# Altium PCB AMS_A2_Sample.PcbDoc (part 1 of 2) (continued)
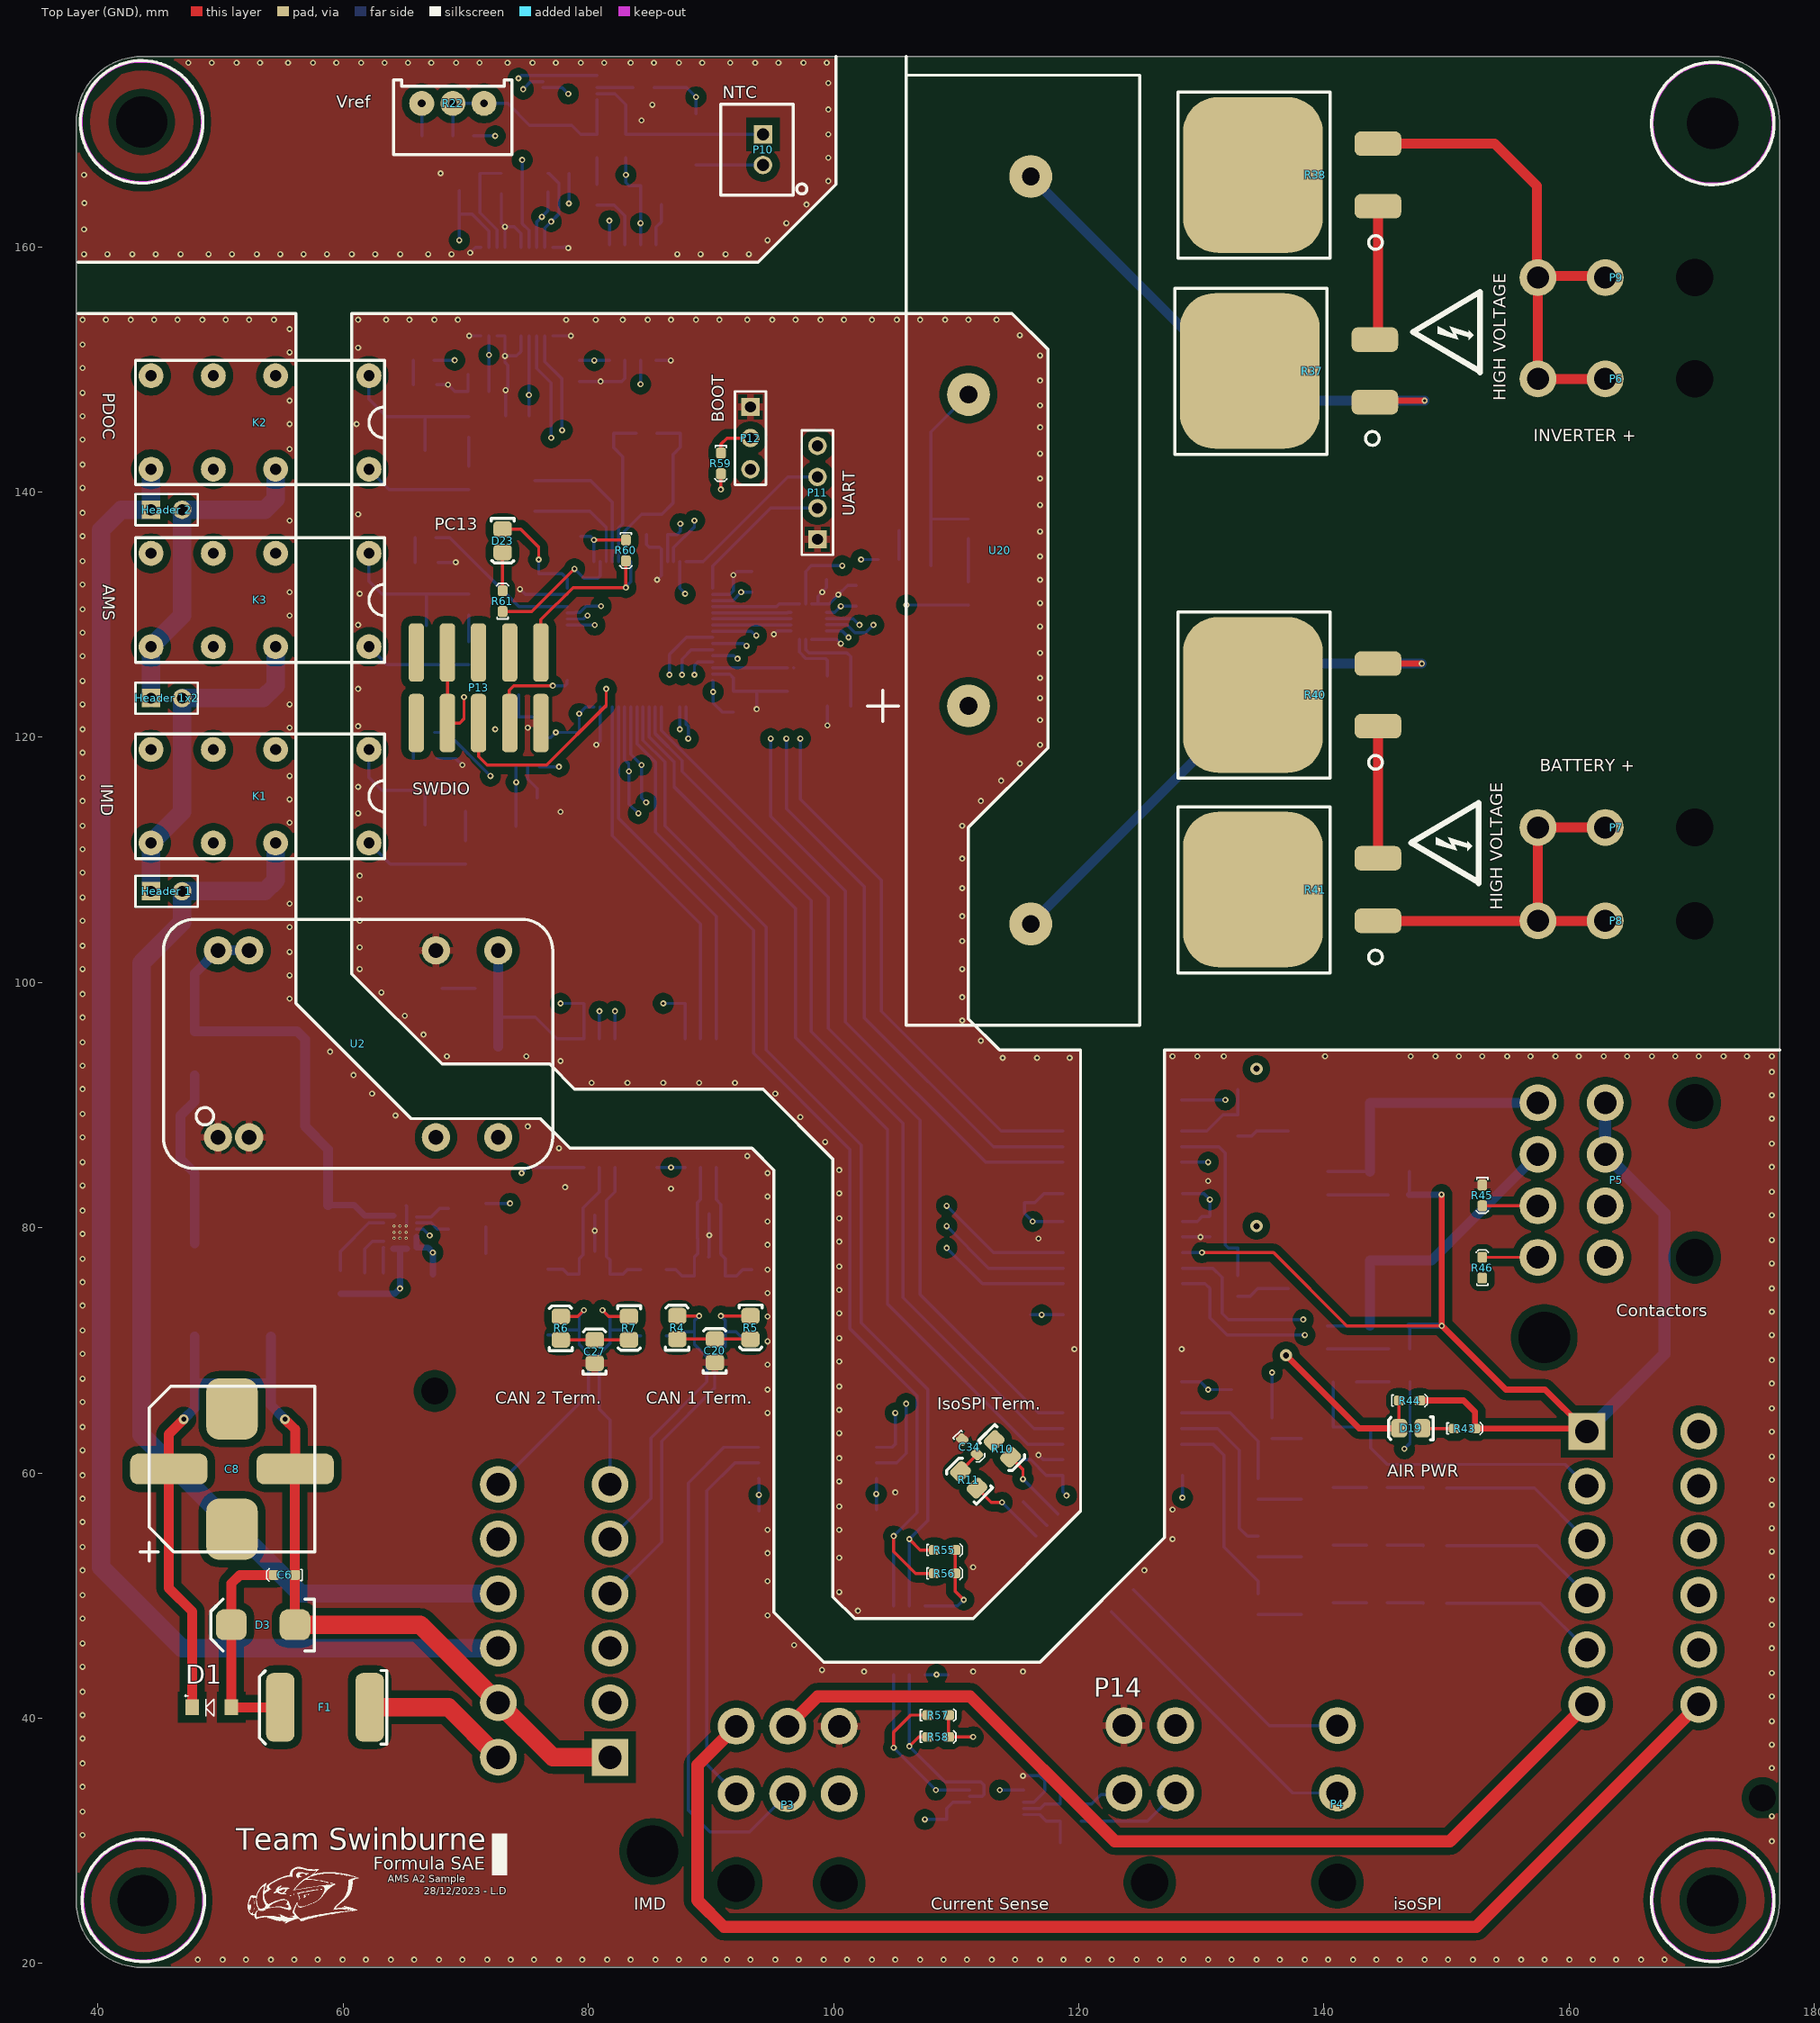
[diagram p0: Top Layer (GND) view]
## Components (designator, comment, footprint, x,y, rotation, side; value= is the part's Value field where it differs from the comment) (continued)
R25 "5.1k" 0603 76.708,164.465 r0 bottom
R26 "20K" 0603 72.898,165.989 r0 bottom
R27 "10k" 0603 69.469,165.989 r0 bottom
R28 "1.2k" 0603 145.246,82.682 r0 bottom
R29 "1.2k" 0603 145.288,70.109 r0 bottom
R30 "1.2k" 0603 145.315,67.437 r0 bottom
R31 "500R" 0603 132.969,89.203 r270 bottom
R32 "500R" 0603 132.969,76.122 r270 bottom
R33 "500R" 0603 135.763,64.516 r270 bottom
R34 "20K" 0603 132.969,91.264 r90 bottom
R35 "20K" 0603 132.969,78.359 r90 bottom
R36 "20K" 0603 135.763,66.929 r0 bottom
R37 "PWR263S-35-1001J" "B TO-263" 133.945,149.87 r90 top value=1k
R38 "PWR263S-35-1001J" "B TO-263" 134.199,165.852 r90 top value=1k
R39 "1k" 0603 110.998,137.795 r270 bottom
R40 "PWR263S-35-1001J" "B TO-263" 134.199,123.454 r90 top value=1k
R41 "PWR263S-35-1001J" "B TO-263" 134.199,107.579 r90 top value=1k
R42 "680R" 0603 103.632,134.493 r0 bottom
R43 "1.2k" 0603 150.622,63.627 r0 top
R44 "1.2k" 0603 146.128,65.913 r0 top
R45 "1.2k" 0603 152.908,83.488 r270 top
R46 "1.2k" 0603 152.908,75.897 r90 top
R47 "680R" 0603 143.461,49.403 r0 bottom
R48 "680R" 0603 134.62,50.165 r270 bottom
R49 "680R" 0603 143.461,54.102 r0 bottom
R50 "680R" 0603 134.62,54.852 r270 bottom
R51 "680R" 0603 143.461,58.801 r0 bottom
R52 "680R" 0603 134.62,59.551 r270 bottom
R53 "1k" 0603 120.191,33.02 r180 bottom
R54 "1k" 0603 120.191,31.623 r180 bottom
R55 "5.1k" 0603 108.204,53.721 r0 top
R56 "5.1k" 0603 108.204,51.816 r0 top
R57 "5.1k" 0603 107.682,40.259 r0 top
R58 "5.1k" 0603 107.682,38.481 r0 top
R59 "10k" 0603 90.805,143.178 r270 top
R60 "10k" 0603 83.058,136.084 r270 top
R61 "1k" 0603 72.999,130.253 r90 top
R62 "200K" 0603 83.898,144.78 r0 bottom value=20K
U2 "JTC0424S05" "24-DIP Module, 7 Leads" 61.214,94.996 r0 top
U3 "744272121" "Wurth 4-PC Pad" 54.099,78.74 r270 bottom value="120uH @ 100kHz"
U4 "MAXM17631AME+T" MAXM17631AME+T 64.635,79.637 r180 bottom
U5 "TLV70033-Q1" "TI SOT-23-5" 76.007,117.602 r180 bottom
U6 "ISO1042" TI-SOIC-8 89.789,90.17 r270 bottom
U7 "B82787C0104H002" "TDK 4-PC Pad" 91.146,71.523 r90 bottom value="100µH @ 100kHz"
U8 "NUP2105L" "ON SOT-23" 89.855,80.121 r180 bottom
U9 "ISO1042" TI-SOIC-8 81.534,90.17 r270 bottom
U10 "B82787C0104H002" "TDK 4-PC Pad" 81.748,71.65 r90 bottom value="100µH @ 100kHz"
U11 "NUP2105L" "ON SOT-23" 80.518,80.01 r180 bottom
U12 "LTC6820" WFQN-16 97.97,129.425 r0 bottom
U13 "HX1188NLT" HX1188NL 118.237,50.419 r135 bottom
U14 "ADuM225N" AD-SOIC-8W 98.679,61.468 r0 bottom
U15 "ADuM210N" SOIC-8W 83.617,155.448 r270 bottom
U16 "TS391ILT" "ON SOT-23-5" 79.721,166.634 r90 bottom
U17 "ADS1115" "TI 10-VSSOP" 78.496,172.974 r180 bottom
U18 "ADM3260" "AD 20-SSOP" 74.168,156.337 r180 bottom
U19 "ADuM1400" "AD 16-SOIC" 123.571,88.519 r90 bottom
U20 "3350-1275-056" "CI SPST" 110.998,135.255 r270 top
U21 "ADuM1400" "AD 16-SOIC" 123.571,74.803 r270 bottom
U22 "ADuM1400" "AD 16-SOIC" 123.571,65.532 r90 bottom
U23 "ADS1115" "TI 10-VSSOP" 113.284,33.147 r180 bottom
U24 "ISO1540DR" "TI 8-SOIC" 104.902,53.238 r90 bottom
U25 "STM32F446RET6" "STM 64-LQFP" 84.201,128.397 r270 bottom
X1 "32.768kHz" "EPSON 2-SMD" 78.359,139.7 r90 bottom
X2 "8MHz" ECS-80-18-30-JGN-TR 84.836,141.097 r0 bottom

## Footprints (in the part's own frame and the unit in brackets; to place one, negate y for a bottom-side part, rotate by r counter-clockwise, add the part's x,y. Pads: shape width x height; smd on the part's side, far side on the other; paste and mask are expansions set on the pad)
"24-DIP Module, 7 Leads" [mm]
  round 2.3 hole 1.2: 2(-11.43,-7.62) 3(-8.89,-7.62) 9(6.35,-7.62) 11(11.43,-7.62) 14(11.43,7.62) 16(6.35,7.62) 22(-8.89,7.62) 23(-11.43,7.62)
  silkscreen extent -15.88,-10.16 15.88,10.16, body extent -15.87,-10.16 15.87,10.16, height 10.41
0603 [mm]
  rrect50% 0.9x0.8 smd: 1(0,0) 2(1.7,0)
  silkscreen extent -0.6,-0.5 2.3,0.5, body extent 0.05,-0.42 1.65,0.43, height 0.6
0805 [mm]
  rrect50% 1.3x1.5 smd: 1(-0.962,-0.026) 2(0.938,-0.026)
  silkscreen extent -1.85,-0.95 1.8,0.93, body extent -1,-0.65 1,0.66, height 0.73
"0805 LED" [mm]
  rrect50% 1.3x1.5 smd: A(-0.962,-0.026) K(0.938,-0.026)
  silkscreen extent -1.85,-0.95 1.8,0.93, body extent -1.09,-0.63 0.91,0.63, height 1
1812 [mm]
  rrect50% 2.2x3.5 smd: 1(-1.8,0) 2(1.8,0)
  silkscreen extent -3.25,-1.75 3.25,1.75, body extent -2.25,-1.6 2.25,1.6, height 2.5
2920 [mm]
  rrect50% 2.3x5.6 smd: 1(0,0) 2(7.3,0)
  silkscreen extent -1.4,-3 9,3, body extent -0.34,-2.81 7.64,2.81, height 1.14
39300020 [mm]
  round 3 hole 1.8: 1(0,0) 2(0,5.5)
  round 1.524 hole 3.05: ""(0,-7.3)
  body extent -2.7,-13.97 3.1,5.97, height 11.4
39300040 [mm]
  round 3 hole 1.85: 1(0,0) 2(0,5.5) 3(-4.2,0) 4(-4.2,5.5)
  round 1.524 hole 3.05: ""(-2.1,-7.3)
  body extent -6.9,-13.87 3.1,6.07, height 11.4
39300060 [mm]
  round 3 hole 1.85: 1(0,0) 2(0,5.5) 3(-4.2,0) 4(-4.2,5.5) 5(-8.4,0) 6(-8.4,5.5)
  round 1.524 hole 3.05: ""(-8.4,-7.3) ""(0,-7.3)
  body extent -11.1,-13.87 3.1,6.07, height 11.4
39300080 [mm]
  round 3 hole 1.85: 1(0,0) 2(0,5.5) 3(-4.2,0) 4(-4.2,5.5) 5(-8.4,0) 6(-8.4,5.5) 7(-12.6,0) 8(-12.6,5.5)
  round 1.524 hole 3.05: ""(-12.6,-7.3) ""(0,-7.3)
  body extent -15.3,-13.9 3.1,6.04, height 11.4
"AD 16-SOIC" [mil]
  rrect50% 28x85 smd: 1(-225,-192.02)
  oval 28x85 smd: 2(-175,-192.02) 3(-125,-192.02) 4(-75,-192.02) 5(-25,-192.02) 6(25,-192.02) 7(75,-192.02) 8(125,-192.02) 9(125,190) 10(75,189.96) 11(25,189.96) 12(-25,189.96) 13(-75,189.96) 14(-125,189.96) 15(-175,191.98) 16(-225,191.98)
  silkscreen extent -257,-138 155,138, body extent -256,-209 156,209, height 104
"AD 20-SSOP" [mm]
  rrect50% 0.4x1.6 smd: 1(-2.925,-3.6) 2(-2.275,-3.6) 3(-1.625,-3.6) 4(-0.975,-3.6) 5(-0.325,-3.6) 6(0.325,-3.6) 7(0.975,-3.6) 8(1.625,-3.6) 9(2.275,-3.6) 10(2.925,-3.6) 11(2.925,3.6) 12(2.275,3.6) 13(1.625,3.6) 14(0.975,3.6) 15(0.325,3.6) 16(-0.325,3.6) 17(-0.975,3.6) 18(-1.625,3.6) 19(-2.275,3.6) 20(-2.925,3.6)
  silkscreen extent -3.5,-2.5 3.5,2.5, body extent -3.64,-3.9 3.56,3.9, height 1.2
AD-SOIC-8W [mm]
  rrect50% 1.7x0.6 smd: 1(-4.8,1.905) 2(-4.8,0.635) 3(-4.8,-0.635) 4(-4.8,-1.905) 5(4.8,-1.905) 6(4.8,-0.635) 7(4.8,0.635) 8(4.8,1.905)
  silkscreen extent -4.92,-3.05 3.55,3.05, body extent -5.16,-3.05 5.16,3.05, height 2.65
"B 3296" [mil]
  round 80 hole 25.2: 1(-103.39,-22) 2(-3.39,-22) 3(96.61,-22)
  silkscreen extent -193,-97 187,143, body extent -191,-97 184,143, height 455
"B TO-263" [mm]
  rrect50% 2x3.8 smd: 1(-2.55,-10.2) 2(2.55,-10.2)
  rrect50% 12.7x11.4 smd: ""(0,0)
  silkscreen extent -6.8,-10.56 6.75,6.1, body extent -5.19,-11.02 5.45,4.83, height 4.8
"CI SPST" [mm]
  round 3.5 hole 1.45: 1(30.48,5.08) 2(12.7,0) 3(-12.7,0) 4(-30.48,5.08)
  silkscreen extent -38.73,-8.25 38.73,13.97, body extent -38.1,-4.45 38.1,13.34, height 20.57
DTF15-12P [mm]
  rect 3x3 hole 1.9: 1(0,18.24)
  round 3 hole 1.9: 2(4.45,18.24) 3(8.9,18.24) 4(13.35,18.24) 5(17.8,18.24) 6(22.25,18.24) 7(22.25,9.12) 8(17.8,9.12) 9(13.35,9.12) 10(8.9,9.12) 11(4.45,9.12) 12(0,9.12)
  round 1.524 hole 4.2 unplated mask+0: 5(-7.671,21.717)
  round 1.524 hole 2.2 unplated mask+0: 5(29.87,3.937)
  body extent -10.87,2.62 33.07,24.88, height 35
ECS-80-18-30-JGN-TR [mm]
  rrect50% 1.9x2.4 smd: 1(-2.05,0) 2(2.05,0)
"EPSON 2-SMD" [mm]
  rrect50% 1x1.8 smd: 1(-1.25,0) 2(1.25,0)
  silkscreen extent -2,-1.2 2,1.2, body extent -1.5,-1 1.5,1, height 1
HX1188NL [mm]
  rect 1.6x0.7 smd: 1(-4.35,4.445) 2(-4.35,3.175) 3(-4.35,1.905) 4(-4.35,0.635) 5(-4.35,-0.635) 6(-4.35,-1.905) 7(-4.35,-3.175) 8(-4.35,-4.445) 9(4.35,-4.445) 10(4.35,-3.175) 11(4.35,-1.905) 12(4.35,-0.635) 13(4.35,0.635) 14(4.35,1.905) 15(4.35,3.175) 16(4.35,4.445)
  silkscreen extent -4.47,-6.35 3.15,6.35, body extent -4.7,-6.35 4.7,6.35, height 5.97
MAXM17631AME+T [mil]
  rrect25% 24x10 smd paste-5 mask+0: 1(-53.15,49.21) 2(-53.15,29.53) 3(-53.15,9.84) 4(-53.15,-9.84) 5(-53.15,-29.53) 6(-53.15,-49.21) 9(53.15,-49.21) 10(53.15,-29.53) 11(53.15,-9.84) 12(53.15,9.84) 13(53.15,29.53) 14(53.15,49.21)
  rrect25% 20x24 smd paste+0 mask+0: 7(-21.65,-53.15) 8(21.65,-53.15) 15(21.65,53.15) 16(-21.65,53.15)
  rect 63x63 smd paste+0 mask+0: 17(0,0)
  silkscreen extent -75,-75 85,75, body extent -62,-62 62,62, height 71
"NXP SOD123W" [mm]
  rect 1.1x1.3 smd: A(1.6,0) K(-1.6,0)
  silkscreen extent -2.2,-0.73 0.2,1.04, body extent -1.75,-0.95 1.75,0.95, height 1.1
"ON SOT-23" [mm] "NUP2105L"
  rrect50% 0.8x0.9 smd: 1(-0.95,-1) 2(0.95,-1) 3(0,1)
  silkscreen extent -1.75,-0.65 1.75,0.75, body extent -1.5,-1.28 1.5,1.27, height 1
"ON SOT-23-5" [mil]
  rrect50% 19x58 smd: 1(24.61,38.39) 2(62.01,38.39) 3(99.41,38.39) 4(99.41,131.39) 5(24.61,131.39)
  silkscreen extent -5,39 128,128, body extent 2,27 122,145, height 57
SOIC-8W [mm]
  rect 1.85x0.6 smd: 1(-4.725,1.905) 2(-4.725,0.635) 3(-4.725,-0.635) 4(-4.725,-1.905) 5(4.725,-1.905) 6(4.725,-0.635) 7(4.725,0.635) 8(4.725,1.905)
  silkscreen extent -4.85,-3.05 3.4,3.05, body extent -5.16,-3.05 5.16,3.05, height 2.65
"ST SMB DIODE" [mm]
  rrect50% 2.5x2.5 smd: A(2.6,0) K(-2.6,0)
  silkscreen extent -4.28,-2.12 4.17,2.08, body extent -2.88,-1.99 2.71,1.95, height 2.5
"STM 64-LQFP" [mm]
  rrect50% 1.56x0.35 smd mask+0.05: 1(-5.93,3.75) 2(-5.93,3.25) 3(-5.93,2.75) 4(-5.93,2.25) 5(-5.93,1.75) 6(-5.93,1.25) 7(-5.93,0.75) 8(-5.93,0.25) 9(-5.93,-0.25) 10(-5.93,-0.75) 11(-5.93,-1.25) 12(-5.93,-1.75) 13(-5.93,-2.25) 14(-5.93,-2.75) 15(-5.93,-3.25) 16(-5.93,-3.75) 33(5.93,-3.75) 34(5.93,-3.25) 35(5.93,-2.75) 36(5.93,-2.25) 37(5.93,-1.75) 38(5.93,-1.25) 39(5.93,-0.75) 40(5.93,-0.25) 41(5.93,0.25) 42(5.93,0.75) 43(5.93,1.25) 44(5.93,1.75) 45(5.93,2.25) 46(5.93,2.75) 47(5.93,3.25) 48(5.93,3.75)
  rrect50% 0.35x1.56 smd mask+0.05: 17(-3.75,-5.93) 18(-3.25,-5.93) 19(-2.75,-5.93) 20(-2.25,-5.93) 21(-1.75,-5.93) 22(-1.25,-5.93) 23(-0.75,-5.93) 24(-0.25,-5.93) 25(0.25,-5.93) 26(0.75,-5.93) 27(1.25,-5.93) 28(1.75,-5.93) 29(2.25,-5.93) 30(2.75,-5.93) 31(3.25,-5.93) 32(3.75,-5.93) 49(3.75,5.93) 50(3.25,5.93) 51(2.75,5.93) 52(2.25,5.93) 53(1.75,5.93) 54(1.25,5.93) 55(0.75,5.93) 56(0.25,5.93) 57(-0.25,5.93) 58(-0.75,5.93) 59(-1.25,5.93) 60(-1.75,5.93) 61(-2.25,5.93) 62(-2.75,5.93) 63(-3.25,5.93) 64(-3.75,5.93)
  silkscreen extent -4.5,-4.5 4.5,4.5, body extent -6,-6 6,6, height 1.63
"STM TO-252 MOSFET" [mm]
  rrect50% 6.7x6.7 smd: D(0.05,0.35)
  oval 1.6x3 smd: G(2.35,7) S(-2.25,7)
  silkscreen extent -3.75,-3.4 3.75,4.5, body extent -3.33,-2.67 3.39,7.75, height 2.39
"TDK 4-PC Pad" [mm]
  rrect50% 1.35x0.9 smd: 1(0,-2.5) 2(0,0) 3(4.55,0) 4(4.55,-2.5)
  silkscreen extent -1,-3.2 5.5,0.7, body extent -0.02,-2.82 4.48,0.38, height 2.8
"TH 2.54mm Header 1x2" [mm]
  rect 1.5x1.5 hole 0.9: 1(0,0)
  round 1.5 hole 0.9: 2(2.54,0)
  silkscreen extent -1.27,-1.27 3.81,1.27, body extent -1.27,-1.27 3.81,1.27, height 9.5
"TH 2.54mm Header 1x3" [mm]
  rect 1.5x1.5 hole 0.9: 1(0,0)
  round 1.5 hole 0.9: 2(2.54,0) 3(5.08,0)
  silkscreen extent -1.27,-1.27 6.35,1.27, body extent -1.27,-1.27 6.35,1.27, height 9.5
"TH 2.54mm Header 1x4" [mm]
  rect 1.5x1.5 hole 0.9: 1(0,0)
  round 1.5 hole 0.9: 2(2.54,0) 3(5.08,0) 4(7.62,0)
  silkscreen extent -1.27,-1.27 8.89,1.27, body extent -1.27,-1.27 8.89,1.27, height 9.5
"TH 2.54mm Header 2x5" [mm]
  rrect50% 1.25x4.75 smd: 1(-5,-2.704) 2(-5,3.046) 3(-2.46,-2.704) 4(-2.46,3.046) 5(0.08,-2.704) 6(0.08,3.046) 7(2.62,-2.704) 8(2.62,3.046) 9(5.16,-2.704) 10(5.16,3.046)
"TI 2-DIL" [mil]
  round 80 hole 35.43: 1(-350,-150) 4(-50,-150) 6(150,-150) 8(350,-150) 9(350,150) 11(150,150) 13(-50,150) 16(-350,150)
  silkscreen extent -400,-200 400,200, body extent -398,-197 398,197, height 450
"TI 8-SOIC" [mm]
  oval 1.4x0.6 smd: 1(-9.677,2.54) 2(-9.677,1.27) 3(-9.677,0) 4(-9.677,-1.27) 5(-4.089,-1.27) 6(-4.089,0) 7(-4.089,1.27) 8(-4.089,2.54)
  silkscreen extent -8.74,-1.78 -5.03,3.18, body extent -9.96,-1.87 -3.76,3.14, height 1.76
"TI 10-VSSOP" [mm]
  rrect50% 1.45x0.3 smd mask+0.05: 1(-2.2,1) 2(-2.2,0.5) 3(-2.2,0) 4(-2.2,-0.5) 5(-2.2,-1) 6(2.2,-1) 7(2.2,-0.5) 8(2.2,0) 9(2.2,0.5) 10(2.2,1)
  silkscreen extent -1.25,-1.5 1.25,1.5, body extent -2.45,-1.5 2.45,1.5, height 1.12
"TI SOT-23-5" [mil]
  rrect50% 19x58 smd: 1(0,0) 2(37.4,0) 3(74.8,0) 4(74.8,93) 5(0,93)
  silkscreen extent -30,8 103,86, body extent -23,-12 97,106, height 57
TI-SOIC-8 [mm]
  rrect50% 1.95x0.6 smd: 1(-5.25,1.905) 2(-5.25,0.635) 3(-5.25,-0.635) 4(-5.25,-1.905) 5(5.25,-1.905) 6(5.25,-0.635) 7(5.25,0.635) 8(5.25,1.905)
  silkscreen extent -5.37,-3 3.88,3, body extent -5.75,-3 5.75,3, height 2.8
"Vishay Radial 1213" [mm]
  rrect50% 4.2x5 smd: 0(0,4.9) 0(0,-4.9)
  rrect50% 6.3x2.5 smd: 1(-5.15,0) 2(5.15,0)
  silkscreen extent -6.75,-6.75 7.5,7.5, body extent -7.45,-6.45 7.45,6.45, height 14.31
"VSHY SOT-23-3" [mm] "SOT23, 3-Leads, Body 2.92x2.37mm, Pitch 0.95mm, IPC Low Density"
  rect 1.2x0.65 smd: D(1.3,0) G(-1.3,0.95) S(-1.3,-0.95)
  silkscreen extent -1.42,-1.5 0.7,1.95, body extent -1.32,-1.52 1.32,1.52, height 1.12
WFQN-16 [mm]
  rect 0.8x0.25 smd: 1(-1.45,0.75) 2(-1.45,0.25) 3(-1.45,-0.25) 4(-1.45,-0.75) 9(1.45,-0.75) 10(1.45,-0.25) 11(1.45,0.25) 12(1.45,0.75)
  rect 0.25x0.8 smd: 5(-0.75,-1.45) 6(-0.25,-1.45) 7(0.25,-1.45) 8(0.75,-1.45) 13(0.75,1.45) 14(0.25,1.45) 15(-0.25,1.45) 16(-0.75,1.45)
  rect 1.68x1.68 smd: 17(0,0)
  silkscreen extent -2.47,-1.7 1.7,1.7, body extent -1.6,-1.6 1.6,1.6, height 0.8
"Wurth 4-PC Pad" [mm]
  rrect50% 2.7x2.7 smd: 1(7.62,6.22) 2(0,6.22) 3(0,0) 4(7.62,0)
  silkscreen extent -1.7,-1.8 9.4,8, body extent -1.19,-1.24 8.81,7.46, height 6.2
"XH 2 PIN VERT" [mm]
  round 1.508 hole 1: 1(1.25,0.127)
  rect 1.508x1.508 hole 1: 2(-1.25,0.127)
  silkscreen extent -3.7,-3.3 3.7,3.71, body extent -3.61,-3.24 3.61,2.6, height 7.21

## Part data
C1 C10 C20 C27: library part GRM21BR61A226ME51L, Digikey Part Number=490-10511-1-ND, Manufacturer=muRata, Rated Voltage=10V, Temperature Rating=X5R, Tolerance=20%, Material=MLCC, Part Number=GRM21BR61A226ME51L
C2 C12 C14: library part GCM21BR71H105KA03L, Digikey Part Number=490-10675-1-ND, Manufacturer=muRata, Rated Voltage=50V, Temperature Rating=X7R, Tolerance=±10%, Material=MLCC, Part Number=GCM21BR71H105KA03L
C3 C4 C45 C49: library part GRM21BR6YA106KE43L, Digikey Part Number=490-10514-6-ND, Manufacturer=muRata, Rated Voltage=50V, Temperature Rating=X5R, Tolerance=10%, Material=MLCC, Part Number=GRM21BR6YA106KE43L
C5 C6 C7 C11 C13 C15 C18 C19 C25 C26 C32 C33 C34 C36 C37 C38 C39 C40 C41 C42 C43 C44 C47 C48 C50 C52 C53 C54 C55 C56 C57 C58 C59 C60 C61 C62 C69 C70 C71 C72 C73 C74: library part GCM188L81H104KA57D, Digikey Part Number=490-6049-1-ND, Manufacturer=muRata, Rated Voltage=50V, Temperature Rating=X8L, Tolerance=±10%, Material=MLCC, Part Number=GCM188L81H104KA57D
C8: library part MAL214699106E3, Digikey Part Number=4440PHCT-ND, Manufacturer=Vishay, Rated Voltage=50V, Temperature Rating=125C, Tolerance=20%, Material="Aluminium Electrolytic", Part Number=MAL214699106E3
C9 C16 C63 C64: library part GRM21BR71E225KE11L, Digikey Part Number=490-14467-2-ND, Manufacturer="Murata Electronics", Rated Voltage=25V, Temperature Rating=X7R, Tolerance=±10%, Material=MLCC, Part Number=GRM21BR71E225KE11L
C17: library part GRM1885C1H682JA01D, Digikey Part Number=490-11477-1-ND, Manufacturer="Murata Electronics", Rated Voltage=50V, Temperature Rating="C0G, NP0", Tolerance=±5%, Material=MLCC, Part Number=GRM1885C1H682JA01D
C21 C22 C23 C24 C28 C29 C30 C31: library part GRM1885C1H101JA01D, Digikey Part Number=490-1427-1-ND, Manufacturer="Murata Electronics", Rated Voltage=50V, Temperature Rating="C0G, NP0", Tolerance=±5%, Material=MLCC, Part Number=GRM1885C1H101JA01D
C35 C46 C51: library part GCM188L81H103KA03D, Digikey Part Number=490-GCM188L81H103KA03DCT-ND, Manufacturer=muRata, Rated Voltage=50V, Temperature Rating=X8L, Tolerance=±10%, Material=MLCC, Part Number=GCM188L81H103KA03D
C65 C66 C67 C68: library part GRM0335C1H220JA01D, Digikey Part Number=490-6123-1-ND, Manufacturer="Murata Electronics", Rated Voltage=50V, Temperature Rating="C0G, NP0", Tolerance=±5%, Material=MLCC, Part Number=GRM0335C1H220JA01D
D1 D6 D8 D10 D11 D12 D13 D18: Breakdown Voltage="100 V", Digikey Part Number=1727-PMEG100T10ELR-QXCT-ND, Forward Voltage="0.75 V @ 1A", Manufacturer="Nexperia USA Inc.", Rated Power="680 mW", Part Number=PMEG100T10ELR-QX
D2 D4: library part SML-211DTT86, "Orange LED Indication - Discrete 1.75V 0805 (2012 Metric)", Digikey Part Number=511-1291-1-ND, Manufacturer="ROHM Semiconductor", Colour=Orange, Part Number=SML-211DTT86
D3: Breakdown Voltage="30.8 V", Digikey Part Number=497-10804-1-ND, Manufacturer=STMicroelectronics, Rated Power=600W, Forward Voltage="30.8 V", Part Number=SM6T36CAY
D5 D7 D9 D17: library part SML-210FTT86, "Green LED Indication - Discrete 1.75V 0805 (2012 Metric)", Digikey Part Number=511-1285-1-ND, Manufacturer="ROHM Semiconductor", Colour=Green, Digikey Link=https://www.digikey.com/product-detail/en/rohm-semiconductor/SML-210FTT86/511-1285-1-ND/637098, Part Number=SML-210FTT86
D14 D15 D16 D19 D23: library part SML-210LTT86, "Red LED Indication - Discrete 1.75V 0805 (2012 Metric)", Digikey Part Number=511-1286-1-ND, Manufacturer="ROHM Semiconductor", Colour=Red, Part Number=SML-210LTT86
  D23: Digikey Link=https://www.digikey.com/product-detail/en/rohm-semiconductor/SML-210LTT86/511-1286-1-ND/637099
D20 D21 D22: library part SML-211YTT86, "Yellow LED Indication - Discrete 1.75V 0805 (2012 Metric)", Digikey Part Number=511-1293-1-ND, Manufacturer="ROHM Semiconductor", Colour=Yellow, Part Number=SML-211YTT86
F1: "PTC RESET FUSE 60V 1A 292", Digikey Part Number=507-2070-1-ND, Manufacturer="Littelfuse Inc.", Digikey Link=https://www.digikey.com/product-detail/en/bel-fuse-inc/0ZCF0100AF2A/507-2070-1-ND/6210547, Part Number=0ZCF0100AF2A
"Header 1" "Header 1x2" "Header 2": library part "TH 2.54mm Header 1x2", Angle=0, Contact=NA, Flange=No, Part Number="TH 2.54mm Header 1x2", Pitch=2.54mm, Positions=2, Row Spacing=2.54mm
K1 K2 K3: "5V DPDT Relay 3A 220VDC", Digikey Part Number=PB383-ND, Manufacturer=Axicom, Digikey Link=https://www.digikey.com/products/en?mpart=V23105A5001A201&v=41, Part Number=V23105A5475A201
L1: library part RLS-126, Digikey Part Number=945-3429-ND, Manufacturer=Recom, Rated Current="0.8 A", Tolerance=0.2, Impedance=230mOhm, Material=Wirewound, Part Number=RLS-126
P1 P2: Digikey Part Number=1734-1647-ND, Angle=0, Contact="Copper Alloy", Digikey Link=https://www.digikey.com.au/product-detail/en/te-connectivity-deutsch-connectors/DTF15-12PA/1734-1647-ND/7220164, Flange=No, Part Number=DTF15-12P, Pitch=4.44mm, Positions=12, Row Spacing="9.12 mm"
P3: Digikey Part Number=WM21353-ND, Angle=90, Contact=Tin, Flange=No, Part Number=39300060, Pitch=4.2mm, Positions=6, Row Spacing=5.5mm
P4 P6 P7 P8 P9: Digikey Part Number=WM21351-ND, Angle=90, Contact=Tin, Flange=No, Part Number=39300020, Pitch=4.2mm, Positions=2, Row Spacing=5.5mm
P5: Digikey Part Number=WM21354-ND, Angle=90, Contact=Tin, Flange=No, Part Number=39300080, Pitch=4.2mm, Positions=8, Row Spacing=5.5mm
P10: Digikey Part Number=455-2247-ND, Angle=0, Contact=Tin, Digikey Link=https://www.digikey.com.au/en/products/detail/jst-sales-america-inc/B2B-XH-A-LF-SN/1651045, Flange=No, Part Number=B2B-XH-A(LF)(SN), Pitch=2.54mm, Positions=2, Row Spacing=2.54mm
P11: library part "TH 2.54mm Header 1x4", Angle=0, Contact=NA, Flange=No, Part Number="TH 2.54mm Header 1x4", Pitch=2.54mm, Positions=4, Row Spacing=2.54mm
P12: library part "TH 2.54mm Header 1x3", Angle=0, Contact=NA, Flange=No, Part Number="TH 2.54mm Header 1x3", Pitch=2.54mm, Positions=3, Row Spacing=2.54mm
P13: library part "SMD 2.54mm Header 2x5", Angle=0, Contact=NA, Flange=No, Part Number="SMD 2.54mm Header 2x5", Pitch=2.54mm, Positions=10, Row Spacing=2.54mm
P14: Digikey Part Number=WM21352-ND, Angle=90, Contact=Tin, Flange=No, Part Number=39300040, Pitch=4.2mm, Positions=4, Row Spacing=5.5mm
Q1 Q2 Q3 Q6 Q7 Q8 Q9 Q10: "MOSFET N-CH 60V 2.3A SOT23", Digikey Part Number=SQ2308CES-T1_GE3CT-ND, Manufacturer="Vishay Siliconix", Rated Power=2W, LatestRevisionDate=29-May-2009, LatestRevisionNote="IPC-7351 Footprint Added.", PackageDescription="4-Pin SOT-343 Package 1.3 mm Pitch, 2.1 mm Lead Span", PackageReference=SOT-343, PackageVersion=Sep-2000, Part Number=SQ2308CES-T1_GE3, Published=24-Mar-1999, Publisher="Altium Limited", Type=N-channel
Q4 Q5: "N-Channel 100V 60A (Tc) 125W (Tc) Surface Mount DPAK", Digikey Part Number=497-8806-2-ND, Manufacturer=STMicroelectronics, Rated Power=125W, LatestRevisionDate=29-May-2009, LatestRevisionNote="IPC-7351 Footprint Added.", PackageDescription="4-Pin SOT-343 Package 1.3 mm Pitch, 2.1 mm Lead Span", PackageReference=SOT-343, PackageVersion=Sep-2000, Part Number=STD70N10F4, Published=24-Mar-1999, Publisher="Altium Limited", Type=N-channel
R1 R3 R28 R29 R30 R43 R44 R45 R46: library part RC0603JR-071K2L, Digikey Part Number=311-1.2KGRCT-ND, Manufacturer=YAGEO, Rated Power=0.1W, Tolerance=0.01, Material=FR-07, Part Number=RC0603JR-071K2L
R2: library part ESR03EZPF1502, Digikey Part Number=RHM15.0KADCT-ND, Manufacturer="Rohm Semiconductor", Rated Power=0.25W, Tolerance=0.01, Material=FR-07, Part Number=ESR03EZPF1502
R4 R5 R6 R7: library part RC0805FR0756RL, Digikey Part Number=311-56.0CRCT-ND, Manufacturer=YAGEO, Rated Power=0.125W, Tolerance=0.01, Material=FR-07, Part Number=RC0805FR0756RL
R8 R9: library part RC0805FR07680RL, Digikey Part Number=311-680CRCT-ND, Manufacturer=YAGEO, Rated Power=0.125W, Tolerance=0.01, Material=FR-07, Part Number=RC0805FR07680RL
R10 R11: library part RC0805FR0751RL, Digikey Part Number=311-51.0CRCT-ND, Manufacturer=YAGEO, Rated Power=0.125W, Tolerance=0.01, Material=FR-07, Part Number=RC0805FR0751RL
R12 R14 R16 R19 R39 R53 R54 R61: library part RC0603FR-071KL, Digikey Part Number=311-1.00KHRCT-ND, Manufacturer=YAGEO, Rated Power=0.1W, Tolerance=0.01, Material=FR-07, Part Number=RC0603FR-071KL
R13 R15 R17 R42 R47 R48 R49 R50 R51 R52: library part RC0603JR-13680RL, Digikey Part Number=13-RC0603JR-13680RLCT-ND, Manufacturer=YAGEO, Rated Power=0.1W, Tolerance=0.01, Material=FR-07, Part Number=RC0603JR-13680RL
R18: library part RC0603FR-072KL, Digikey Part Number=311-2.00KHRCT-ND, Manufacturer=YAGEO, Rated Power=0.1W, Tolerance=0.01, Material=FR-07, Part Number=RC0603FR-072KL
R20 R21 R23 R27 R59 R60: library part RC0603FR-0710KL, Digikey Part Number=311-10.0KHRCT-ND, Manufacturer=YAGEO, Rated Power=0.1W, Tolerance=0.01, Material=FR-07, Part Number=RC0603FR-0710KL
R22: library part 3296W-1-103LF, Digikey Part Number=3296W-103LF-ND, Manufacturer="Bournes Inc", Rated Power=0.5W, Tolerance=0.1, Part Number=3296W-1-103LF
R24 R25 R55 R56 R57 R58: library part RC0603JR-075K1L, Digikey Part Number=311-5.1KGRCT-ND, Manufacturer=YAGEO, Rated Power=0.1W, Tolerance=0.01, Material=FR-07, Part Number=RC0603JR-075K1L
R26 R34 R35 R36 R62: library part RC0603FR-0720KL, Digikey Part Number=311-20.0KHRCT-ND, Manufacturer=YAGEO, Rated Power=0.1W, Tolerance=0.01, Material=FR-07, Part Number=RC0603FR-0720KL
R31 R32 R33: library part RT0603BRD07500RL, Digikey Part Number=13-RT0603BRD07500RL-ND, Manufacturer=YAGEO, Rated Power=0.1W, Tolerance=0.01, Material=FR-07, Part Number=RT0603BRD07500RL
R37 R38 R40 R41: library part CMP-037-000402-1, Digikey Part Number=PWR263S-35-1001J-ND, Manufacturer="Bournes Inc", Rated Voltage=35W, Tolerance=0.05, Part Number=PWR263S-35-1001J
U2: "DC DC CONVERTER 5V 4W", Digikey Part Number=JTC0424S05-ND, Input Voltage=9V-36V, Manufacturer="XP Power", Output Power=4W, Output Voltage=5V, Digikey Link=https://www.digikey.com/products/en?keywords=%20JTC0424S05, Efficiency=0.79, Isolation=Isolated, Part Number=JTC0424S05
U3: Digikey Part Number=732-1489-1-ND, Manufacturer="Wurth Electronics Inc", Rated Current="2.5 A", Impedance="460 Ohms @ 30MHz", Material=Wirewound, Part Number=744272121
U4: "DC DC CONVERTER 5V", Digikey Part Number=175-MAXM17631AME+TTR-ND, Input Voltage="4.5 to 36 V", Manufacturer="Analog Devices", Mfr_Name="Analog Devices Inc", Output Current="1.0 A", Output Voltage=5V, Digi-Key_Part_Number_1=175-MAXM17631AME+TTR-ND, Part Number=MAXM17631AME+T, RefDes=RefDes, Type=Type
U5: "IC REG LINEAR 3.3V 200MA SOT23-5", Digikey Part Number=296-27780-1-ND, Input Voltage="2 to 5.5 V", Manufacturer="Texas Instruments", Output Current="0.2 A", Output Voltage="3.3 V", Part Number=TLV70033-Q1
U6 U9: "IC CAN TRANSCEIVER 1/1 8SOIC", Digikey Part Number=296-ISO1042BQDWVQ1-ND, Manufacturer="Texas Instruments", Part Number=ISO1042
U7 U10: Digikey Part Number=495-4598-1-ND, Manufacturer="EPCOS (TDK)", Rated Current=150mA, Impedance="5.8 kOhms @ 10MHz", Material=Wirewound, Part Number=B82787C0104H002
U8 U11: "Dual Line CAN Bus Protector", Digikey Part Number=NUP2105LT1GOSCT-ND, Manufacturer="ON Semiconductor", Digikey Link=https://www.digikey.com/product-detail/en/on-semiconductor/NUP2105LT1G/NUP2105LT1GOSCT-ND/1485001, Part Number=NUP2105L
U12: "isoSPI Transceiver", Manufacturer="Analogue Devices", Part Number=LTC6820
U13: library part HX1188NL, "MODULE XFRMR SGL ETHR LAN 16SOIC", Manufacturer="Analogue Devices", Part Number=HX1188NL
U14: "DIGITAL ISOLATOR, DUAL CHANNEL", Manufacturer="Analogue Devices", Part Number=ADuM225N
U15: library part CMP-110-000007-1, "DIGITAL ISOLATOR, SINGLE CHANNEL", Digikey Link=#https://www.analog.com/media/en/technical-documentation/data-sheets/ADuM210N.pdf#, Part Number=ADuM210N
U16: library part CMP-022-000013-1, "IC COMP LO PWR SGL V SOT 23-5L", Part Number=TS391ILT
U17 U23: "16 Bit Analog to Digital Converter 2, 4 Input 1 Sigma-Delta 10-VSSOP", Digikey Part Number=296-38849-1-ND, Manufacturer="Texas Instruments", Part Number=ADS1115
U18: library part CMP-021-000012-1, "I²C Digital Isolator 2500Vrms 2 Channel 25kV/µs CMTI 20-SSOP (0.209\", 5.30mm Width)", Part Number=ADM3260
U19 U21 U22: "General Purpose Digital Isolator 2500Vrms 4 Channel 1Mbps 25kV/µs CMTI 16-SOIC (0.295\", 7.50mm Width)", Digikey Part Number=ADUM1400WSRWZ-ND, Manufacturer="Analog Devices", Digikey Link=https://www.digikey.com/product-detail/en/analog-devices-inc/ADUM1400WSRWZ/ADUM1400WSRWZ-ND/1873713, Part Number=ADuM1400
U20: "RELAY REED HV SPST 200W 3A 5V (NO)", Digikey Part Number=1835-1036-ND, Manufacturer="Comus International", Digikey Link=https://www.digikey.com.au/product-detail/en/comus-international/3350-1275-056/1835-1036-ND/7515918, Part Number=3350-1275-056
U24: "I2C Digital Isolator (Multichannel)", Digikey Part Number=296-34871-1-ND, Manufacturer="Texas Instruments", Digikey Link=https://www.digikey.com/product-detail/en/texas-instruments/ISO1540DR/296-34871-1-ND/3587214, Part Number=ISO1540DR
U25: "ARM® Cortex®-M4 STM32F4 Microcontroller IC 32-Bit 180MHz 512KB (512K x 8) FLASH 64-LQFP (10x10)", Digikey Part Number=497-15376-ND, Manufacturer=STMicroelectronics, Digikey Link=https://www.digikey.com.au/product-detail/en/stmicroelectronics/STM32F446RET6/497-15376-ND/5175962, Part Number=STM32F446RET6
X1: library part "FC-135 32.7680KA-A5", Digikey Part Number=SER4103TR-ND, Load Capacitance=12.5pF, Manufacturer=EPSON, Digikey Link=https://www.digikey.com/product-detail/en/epson/FC-135-32.7680KA-A5/SER4103TR-ND/5259895, ESR=70k, Part Number="FC-135 32.7680KA-A5"
X2: library part ECS-80-18-30-JGN-TR, Digikey Part Number=XC2103CT-ND, Load Capacitance=18pF, Manufacturer="ECS Inc", Digikey Link=https://www.digikey.com/en/products/detail/ecs-inc/ECS-80-18-30-JGN-TR/5875530, ESR=100R, Part Number=ECS-80-18-30-JGN-TR

## Free pads (board coordinates)
  round 0 hole 4.2 unplated: 0(43.561,170.18) 0(43.688,25.146) 0(171.704,25.146) 0(171.704,170.053)

## Via types
v1: diameter 0.5, hole 0.25, Top Layer (GND) to Bottom Layer (Signal), 552 vias
v2: diameter 0.254, hole 0.127, Top Layer (GND) to Bottom Layer (Signal), tented top, 9 vias
v3: diameter 1, hole 0.5, Top Layer (GND) to Bottom Layer (Signal), 3 vias
v4: diameter 0.8, hole 0.4, Top Layer (GND) to Bottom Layer (Signal), 2 vias

## Nets (pads, with @x,y where several pads share a name; then routed paths per layer and width w, separated by ;. In a path a pad name is that pad's centre, name@x,y a point inside that pad or via, vN(x,y) a via of type N, cw(c..) or ccw(c..) an arc to the next point about the centre after c; other vN are vias at no path point)
0V: C3.1 C4.1 C5.1 C9.1 C10.1 C18.1 C20.1 C21.1 C22.1 C23.1 C24.1 C25.1 C27.1 C28.1 C29.1 C30.1 C31.1 C36.1 C52.1 C53.1 C55.1 C56.1 C70.1 C72.1 C74.1 P3.2 P14.4 Q6.S Q8.S Q9.S Q10.S R3.1 R36.2 R45.1 U2.2 U2.3 U3.3 U4.16 U4.17 U6.5 U8.3 U9.5 U11.3 U14.4 U19.9 U19.15 U21.2 U21.8 U22.9 U22.15 U23.3 U24.4 | length 15.3
  Bottom Layer (Signal) w0.254: v2(65.135,80.137) 65.185,80.187 U4.16@65.185,80.987 65.185,81.754 65.151,81.788 ; 80.518,78.105 U11.3@80.518,81.01 ; 89.789,77.597 89.855,77.663 U8.3@89.855,81.121 ; v1(115.443,35.306) 116.84,35.306 117.221,34.925 117.221,34.036 116.355,33.17 115.507,33.17 U23.3@115.484,33.147 ; U21.2@128.448,79.248 C72.1@130.683,79.248
  other v1: 48.133,20.32 50.165,20.32 52.07,20.32 54.102,20.32 56.007,20.32 57.912,20.32 59.944,20.32 61.849,20.32 63.881,20.32 65.786,20.32 67.818,20.32 69.723,20.32 71.755,20.32 73.66,20.32 75.565,20.32 77.597,20.32 79.502,20.32 81.534,20.32 83.439,20.32 85.471,20.32 87.376,20.32 89.408,20.32 91.313,20.32 93.218,20.32 95.25,20.32 97.155,20.32 99.187,20.32 101.092,20.32 103.124,20.32 105.029,20.32 107.061,20.32 108.966,20.32 110.871,20.32 112.903,20.32 114.808,20.32 116.84,20.32 118.745,20.32 120.777,20.32 122.682,20.32 124.714,20.32 126.619,20.32 128.524,20.32 130.556,20.32 132.461,20.32 134.493,20.32 136.398,20.32 138.43,20.32 140.335,20.32 142.367,20.32 144.272,20.32 146.177,20.32 148.209,20.32 150.114,20.32 152.146,20.32 154.051,20.32 156.083,20.32 157.988,20.32 160.02,20.32 161.925,20.32 163.83,20.32 165.862,20.32 167.767,20.32 176.53,29.972 38.735,30.48 176.53,32.004 38.735,32.385 38.735,34.417 176.53,35.941 38.735,36.322 176.53,37.846 38.735,38.354 176.53,39.751 38.735,40.259 176.53,41.783 38.735,42.164 176.53,43.688 102.489,43.815 111.379,43.815 115.443,43.815 99.06,43.942 38.735,44.196 176.53,45.72 96.774,45.974 38.735,46.101 176.53,47.625 38.735,48.133 94.615,48.387 176.53,49.657 38.735,50.038 94.615,51.181 176.53,51.562 38.735,52.07 125.349,52.07 94.615,53.467 176.53,53.594 38.735,53.975 127.635,54.61 94.615,55.372 176.53,55.499 38.735,56.007 127.635,57.023 176.53,57.404 38.735,57.912 176.53,59.436 38.735,59.817 176.53,61.341 38.735,61.849 176.53,63.373 38.735,63.754 94.615,64.897 176.53,65.278 38.735,65.786 94.615,66.802 176.53,67.31 38.735,67.691 94.615,68.834 176.53,69.215 38.735,69.723 128.397,70.104 94.615,70.739 176.53,71.247 38.735,71.628 94.615,72.771 176.53,73.152 38.735,73.66 94.615,74.676 176.53,75.057 38.735,75.565 94.615,76.581 176.53,77.089 38.735,77.47 94.615,78.613 176.53,78.994 129.921,79.248 89.855,79.392 38.735,79.502 80.518,79.756 94.615,80.518 176.53,81.026 38.735,81.407 94.615,82.55 176.53,82.931 86.741,83.185 78.105,83.312 38.735,83.439 130.556,83.82 94.615,84.455 176.53,84.963 38.735,85.344 92.964,85.852 77.597,86.487 176.53,86.868 38.735,87.376 75.057,88.265 176.53,88.9 64.262,89.154 38.735,89.281 176.53,90.805 62.357,90.932 38.735,91.313 60.833,92.456 176.53,92.71 38.735,93.218 127.635,93.98 129.667,93.98 131.826,93.98 140.081,93.98 147.066,93.98 149.098,93.98 151.003,93.98 152.908,93.98 154.94,93.98 156.845,93.98 158.877,93.98 160.782,93.98 162.814,93.98 164.719,93.98 166.751,93.98 168.656,93.98 170.561,93.98 172.593,93.98 174.498,93.98 176.53,93.98 58.928,94.361 38.735,95.123 38.735,97.155 55.626,98.679 38.735,99.06 55.626,100.584 38.735,101.092 55.626,102.489 38.735,102.997 55.626,104.521 38.735,105.029 55.626,106.426 38.735,106.934 38.735,108.966 38.735,110.871 38.735,112.776 55.626,113.03 38.735,114.808 55.626,114.935 38.735,116.713 55.626,116.84 38.735,118.745 38.735,120.65 55.626,120.777 38.735,122.682 55.626,122.682 38.735,124.587 38.735,126.619 38.735,128.524 55.626,129.921 38.735,130.429 55.626,131.826 38.735,132.461 38.735,134.366 38.735,136.398 55.626,137.668 38.735,138.303 38.735,140.335 38.735,142.24 55.626,143.51 38.735,144.272 55.626,145.542 38.735,146.177 55.626,147.447 55.626,147.447 38.735,148.082 38.735,150.114 55.626,151.384 38.735,152.019 55.626,153.289 38.735,154.051 40.64,154.051 42.672,154.051 44.577,154.051 46.482,154.051 48.514,154.051 50.419,154.051 50.419,154.051 52.324,154.051 54.356,154.051
  other v2: 64.135,79.137 64.635,79.137 65.135,79.137 64.135,79.637 64.635,79.637 65.135,79.637 64.135,80.137 64.635,80.137
"0V (ISO)": C1.1 C2.1 C12.1 C13.1 C14.1 C15.1 C19.1 C26.1 C32.1 C33.1 C34.1 C35.1 C37.1 C38.1 C48.1 C49.1 C50.1 C51.1 C54.1 C57.1 C58.1 C59.1 C60.1 C61.1 C62.1 C63.1 C64.1 C65.1 C66.1 C67.1 C68.1 C69.1 C71.1 C73.1 P11.1 P12.1 P13.2 Q1.S Q2.S Q3.S Q7.S R1.1 R9.2 U2.16 U5.2 U6.4 U9.4 U12.1 U12.7 U12.8 U12.13 U12.14 U14.5 U15.5 U15.7 U18.1 U18.5 U18.7 U18.8 U18.10 U19.2 U19.8 U21.9 U21.15 U22.2 U22.8 U24.5 U25.12 U25.18 U25.31 U25.47 U25.63 | length 69.7
  Bottom Layer (Signal) w0.254: Q1.S@67.625,118.267 69.185,118.267 v1(69.723,117.729) ; Q2.S@67.625,148.747 v1(68.55,148.747) 69.088,148.209 C50.1@70.182,148.209 C51.1@70.182,149.606 ; Q3.S@67.752,134.269 v1(69.185,134.269) ; v1(70.275,152.737) U18.10@71.243,152.737 ; U18.8@72.543,152.737 U18.7@73.193,152.737 v1(73.193,151.089) ; C49.1@73.243,146.203 v1(73.243,148.3) 73.443,148.5 C48.1@73.443,149.606 73.443,150.331 73.193,150.581 v1(73.193,151.089) ; v1(74.422,132.08) 74.852,131.65 C58.1@75.946,131.65 75.948,131.648 U25.63@78.271,131.647 U25.63@78.271,131.647 ; U18.5@74.493,152.737 74.493,151.455 74.127,151.089 v1(73.193,151.089) ; U5.2@75.057,117.602 75.057,116.586 75.807,115.836 C13.1@75.807,115.062 ; U18.1@77.093,152.737 v1(78.569,152.737) ; C38.1@79.248,149.023 82.729,149.023 82.982,149.276 U15.7@82.982,150.723 ; v1(80.645,119.38) 80.948,119.683 C57.1@80.948,120.396 80.95,120.398 U25.47@80.951,122.467 U25.47@80.951,122.467 ; C62.1@84.751,136.525 84.751,135.721 84.963,135.509 85.802,135.509 85.951,135.36 85.951,133.195 v1(85.598,132.842) ; U15.5@85.522,150.723 v1(86.715,150.723) ; U25.31@90.131,125.147 91.515,125.147 91.821,124.841 C59.1@91.821,123.747 91.824,123.75 C64.1@93.721,123.75 ; U25.18@90.131,131.647 91.515,131.647 91.821,131.953 v1(91.821,133.223) 92.124,133.526 C60.1@93.345,133.526 ; v1(93.721,122.299) C64.1@93.721,123.75 ; C64.1@93.721,123.752 C64.1@93.721,123.75 ; v1(95.123,128.397) 95.401,128.675 U12.1@96.52,128.675 ; C63.1@96.24,123.752 96.237,123.75 C64.1@93.721,123.75 ; U12.14@98.22,127.975 U12.13@98.72,127.975 100.244,127.975 v1(100.584,127.635) ; U12.7@98.22,130.875 U12.8@98.72,130.875 ; C32.1@99.42,132.842 99.42,132.186 98.722,131.488 98.722,130.877 U12.8@98.72,130.875 ; v1(99.495,120.958) R9.2@99.495,122.555 ; C33.1@101.854,132.383 101.141,132.383 v1(100.387,131.629) 99.633,130.875 U12.8@98.72,130.875 ; v1(116.713,61.468) 117.094,61.087 U22.2@118.694,61.087
  other v1: 101.981,48.768 100.457,50.292 111.379,52.324 100.457,53.086 100.457,55.372 100.457,57.277 105.029,58.42 100.457,59.309 100.457,61.214 100.457,63.246 100.457,65.151 100.457,67.056 100.457,69.088 100.457,69.088 119.634,70.104 100.457,70.993 100.457,73.025 100.457,74.93 100.457,76.835 100.457,78.867 116.713,79.121 100.457,80.772 100.457,82.804 100.457,84.709 99.314,86.995 97.282,89.027 95.25,90.932 80.264,91.821 83.185,91.821 86.106,91.821 89.027,91.821 91.948,91.821 77.724,93.599 113.792,93.853 116.586,93.853 119.253,93.853 68.453,93.98 74.93,93.98 112.014,95.25 66.548,95.758 110.49,96.901 65.024,97.282 110.49,98.806 63.119,99.187 61.341,101.092 110.49,101.092 61.341,102.87 110.49,103.378 61.341,105.029 110.49,105.41 61.341,106.807 110.49,107.696 61.341,108.712 110.49,110.109 110.49,112.776 61.214,113.792 77.724,113.919 112.014,114.808 61.214,115.951 113.665,116.459 115.189,117.856 116.84,119.38 72.39,120.65 75.057,120.777 61.214,120.904 116.84,121.412 116.84,123.19 61.214,123.952 116.84,124.841 116.84,126.873 116.84,129.032 61.214,129.159 116.84,130.937 61.341,131.699 99.071,131.837 116.84,132.842 116.84,134.747 116.84,136.779 61.214,138.176 116.84,138.938 116.84,141.097 116.84,143.129 116.844,145.274 61.087,145.542 116.84,147.066 80.989,149.023 116.84,149.098 116.84,151.13 61.214,151.765 115.189,152.781 61.214,154.051 63.5,154.051 65.405,154.051 67.437,154.051 69.342,154.051 78.185,154.039 80.598,154.039 82.804,154.051 84.836,154.051 86.741,154.051 88.773,154.051 90.678,154.051 92.964,154.051 94.996,154.051 96.901,154.051 98.933,154.051 100.838,154.051 103.124,154.051 105.156,154.051 107.061,154.051 109.093,154.051 110.998,154.051 113.284,154.051
"0V SIG": C16.1 C17.1 R2.1 U4.3 U4.7 U4.8 | length 16
  Int1 (Signal) w0.5: v1(64.635,75.049) 64.635,76.954 v1(67.056,79.375)
  Bottom Layer (Signal) w0.254: U4.3@65.985,79.887 66.544,79.887 v1(67.056,79.375)
  Bottom Layer (Signal) w0.5: C16.1@59.791,74.611 C17.1@61.756,74.611 R2.1@63.246,74.611 64.197,74.611 v1(64.635,75.049) 64.635,78.287 ; U4.8@64.085,78.287 64.635,78.287 ; U4.7@65.185,78.287 64.635,78.287
"3V3 (ISO)": C14.2 C15.2 C57.2 C58.2 C59.2 C60.2 C61.2 C62.2 D23.A P11.4 P12.3 P13.7 P13.8 R60.1 U5.5 U25.1 U25.13 U25.19 U25.32 U25.48 U25.64 | length 46.3
  Top Layer (GND) w0.254: P13.7@68.5,126.91 P13.8@68.5,121.16 69.506,121.16 69.85,121.504 v1(69.85,123.273) ; D23.A@72.999,136.979 74.476,136.979 75.946,135.509 v1(75.946,134.493) ; v1(80.451,136.084) R60.1@83.058,136.084
  Bottom Layer (Signal) w0.254: C14.2@74.295,123.47 C15.2@74.295,121.666 75.692,121.666 76.007,121.351 U5.5@76.007,119.964 76.911,119.964 v1(77.343,120.396) C57.2@79.248,120.396 v1(79.248,121.92) 79.795,122.467 U25.48@80.451,122.467 ; v1(75.946,134.493) C58.2@75.946,133.35 77.851,133.35 78.271,132.93 U25.64@78.271,132.147 ; C61.2@79.375,136.398 80.137,136.398 v1(80.451,136.084) U25.1@80.451,134.327 ; U25.13@86.451,134.327 C62.2@86.451,136.525 87.249,136.525 87.503,136.779 v1(87.503,137.414) ; U25.32@90.131,124.647 90.17,124.608 90.17,122.809 90.932,122.047 C59.2@91.821,122.047 ; U25.19@90.131,131.147 91.777,131.147 v1(92.456,131.826) C60.2@93.345,131.826
  other v1: 90.17,123.698
5V: C10.2 C18.2 C25.2 C36.2 C55.2 C56.2 C70.2 C72.2 C74.2 D4.A D13.K P5.5 P5.7 P14.2 R30.2 R57.2 R58.2 U4.4 U4.5 U4.6 U6.8 U9.8 U14.1 U19.10 U19.16 U21.1 U22.10 U22.16 U23.8 U24.1 | length 48.3
  Top Layer (GND) w0.254: R57.2@109.382,40.259 R58.2@109.382,38.481 v1(111.379,38.481)
  Bottom Layer (Signal) w0.254: D4.A@71.642,81.988 v1(73.606,81.988) ; v1(74.549,84.455) 75.014,84.92 C25.2@76.708,84.92 U9.8@79.629,84.92 ; C18.2@85.598,84.92 U6.8@87.884,84.92 ; U14.1@93.879,59.563 93.902,59.54 C36.2@93.902,56.896 ; v1(107.442,31.75) C55.2@109.22,31.75 109.22,32.639 109.728,33.147 U23.8@111.084,33.147 ; U24.1@107.442,43.561 C56.2@109.347,43.561 ; U22.10@128.396,67.437 129.921,67.437 v1(130.556,66.802) C74.2@132.461,66.802 ; U19.10@128.396,90.424 C70.2@130.683,90.424 v1(131.953,90.424) ; v1(128.447,57.989) U22.16@128.447,59.817 ; U21.1@128.448,80.518 129.667,80.518 130.048,80.899 130.634,80.899 C72.2@130.683,80.948 v1(130.683,82.296) 130.175,82.804 U19.16@128.447,82.804 ; v1(146.558,61.976) 147.015,62.433 D13.K@147.015,63.754 R30.2@147.015,67.437
  Bottom Layer (Signal) w0.5: U4.4@65.985,79.262 U4.5@65.985,78.887 U4.6@65.985,78.387 66.901,78.387 v1(67.31,77.978) C10.2@67.31,76.208
  other v1: 108.394,43.561 93.902,58.218 86.741,84.92